# KiCad board Eclipse65.kicad_pcb (continued)
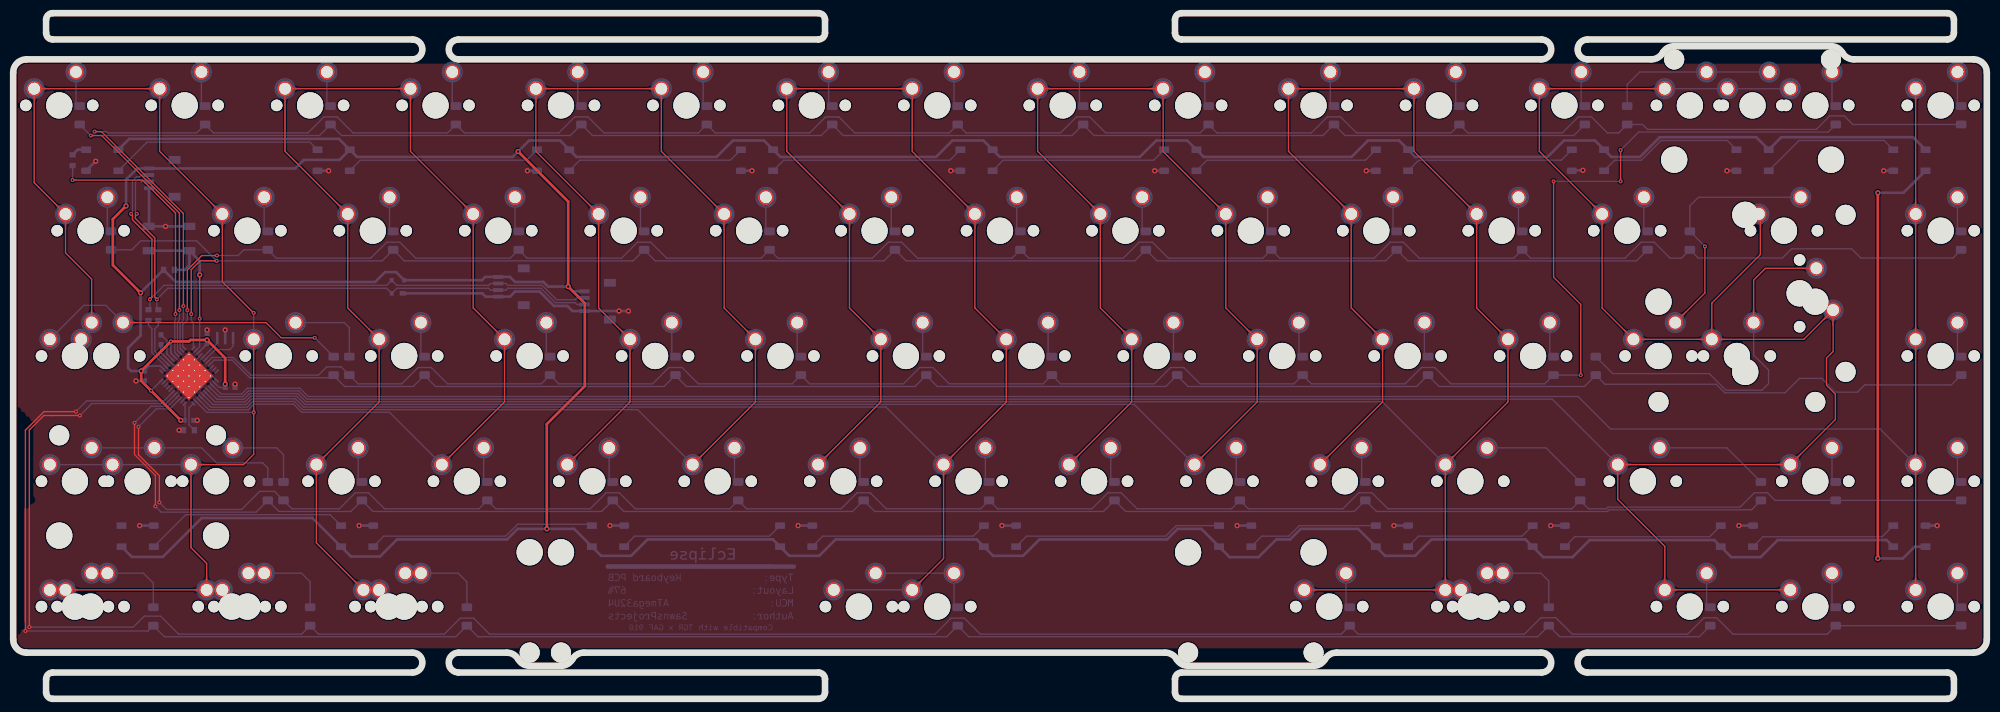
[diagram p0: board, top side]
## Copper pours and planes (outline as drawn; the poured copper is in the pictures) (continued)
C1 on Bottom: 63.34,37.23 63.41,37.16 63.48,37.09 63.53,37.02 63.58,36.95 63.63,36.89 63.66,36.82 63.7,36.76 63.72,36.7 63.75,36.64 63.77,36.58 63.78,36.52 63.8,36.46 63.81,36.4 63.81,36.34 63.85,35.77 63.86,35.7 63.87,35.63 63.88,35.55 63.9,35.47 63.92,35.39 63.94,35.31 63.97,35.22 65.53,35.19 65.5,36.75 65.41,36.78 65.33,36.8 65.24,36.82 65.17,36.84 65.09,36.85 65.02,36.86 64.95,36.87 64.38,36.9 64.32,36.91 64.26,36.92 64.2,36.93 64.14,36.95 64.08,36.97 64.02,36.99 63.96,37.02 63.89,37.05 63.83,37.09 63.76,37.14 63.7,37.19 63.63,37.24 63.56,37.3 63.48,37.38
C1 on Bottom: 62.78,37.8 62.87,37.7 62.96,37.61 63.03,37.51 63.1,37.42 63.16,37.33 63.21,37.25 63.25,37.16 63.28,37.08 63.31,37 63.34,36.92 63.36,36.84 63.38,36.76 63.39,36.68 63.4,36.6 63.4,36.52 63.41,36.44 63.42,36.01 63.43,35.92 63.43,35.83 63.44,35.73 63.46,35.64 63.47,35.53 63.49,35.43 63.52,35.32 63.55,35.21 63.59,35.09 65.67,35.05 65.63,37.13 65.51,37.16 65.4,37.2 65.29,37.22 65.18,37.24 65.08,37.26 64.98,37.27 64.89,37.28 64.8,37.29 64.7,37.3 64.28,37.31 64.2,37.31 64.12,37.32 64.04,37.33 63.96,37.34 63.88,37.36 63.8,37.38 63.72,37.4 63.64,37.43 63.55,37.47 63.47,37.51 63.38,37.56 63.29,37.62 63.2,37.69 63.11,37.76 63.02,37.85 62.92,37.94
C2 on Top: 112.83,52.27 112.83,52.38 112.83,52.47 112.84,52.56 112.86,52.64 112.87,52.72 112.89,52.79 112.91,52.86 112.94,52.92 112.96,52.98 112.99,53.04 113.02,53.09 113.05,53.14 113.09,53.19 113.13,53.24 113.5,53.67 113.55,53.72 113.59,53.78 113.64,53.85 113.68,53.91 113.72,53.98 113.77,54.06 113.81,54.14 112.73,55.26 111.65,54.14 111.69,54.06 111.73,53.98 111.77,53.91 111.82,53.85 111.86,53.78 111.91,53.72 111.95,53.67 112.33,53.24 112.37,53.19 112.4,53.14 112.43,53.09 112.46,53.04 112.49,52.98 112.52,52.92 112.54,52.86 112.56,52.79 112.58,52.72 112.6,52.64 112.61,52.56 112.62,52.47 112.63,52.38 112.63,52.27
C2 on Top: 104.82,37.38 104.75,37.3 104.68,37.24 104.61,37.19 104.54,37.14 104.48,37.09 104.41,37.05 104.35,37.02 104.29,36.99 104.23,36.97 104.17,36.95 104.11,36.93 104.05,36.92 103.99,36.91 103.93,36.9 103.36,36.87 103.29,36.86 103.21,36.85 103.14,36.84 103.06,36.82 102.98,36.8 102.9,36.78 102.81,36.75 102.78,35.19 104.34,35.22 104.36,35.31 104.39,35.39 104.41,35.47 104.42,35.55 104.44,35.63 104.45,35.7 104.46,35.77 104.49,36.34 104.5,36.4 104.51,36.46 104.52,36.52 104.54,36.58 104.56,36.64 104.58,36.7 104.61,36.76 104.64,36.82 104.68,36.89 104.72,36.95 104.77,37.02 104.83,37.09 104.89,37.16 104.96,37.23
C2 on Top: 93.78,52.27 93.78,52.38 93.78,52.47 93.79,52.56 93.81,52.64 93.82,52.72 93.84,52.79 93.86,52.86 93.89,52.92 93.91,52.98 93.94,53.04 93.97,53.09 94,53.14 94.04,53.19 94.08,53.24 94.45,53.67 94.5,53.72 94.54,53.78 94.59,53.85 94.63,53.91 94.67,53.98 94.72,54.06 94.76,54.14 93.68,55.26 92.6,54.14 92.64,54.06 92.68,53.98 92.72,53.91 92.77,53.85 92.81,53.78 92.86,53.72 92.9,53.67 93.28,53.24 93.32,53.19 93.35,53.14 93.38,53.09 93.41,53.04 93.44,52.98 93.47,52.92 93.49,52.86 93.51,52.79 93.53,52.72 93.55,52.64 93.56,52.56 93.57,52.47 93.58,52.38 93.58,52.27
C2 on Top: 85.77,37.38 85.7,37.3 85.63,37.24 85.56,37.19 85.49,37.14 85.43,37.09 85.36,37.05 85.3,37.02 85.24,36.99 85.18,36.97 85.12,36.95 85.06,36.93 85,36.92 84.94,36.91 84.88,36.9 84.31,36.87 84.24,36.86 84.16,36.85 84.09,36.84 84.01,36.82 83.93,36.8 83.85,36.78 83.76,36.75 83.73,35.19 85.29,35.22 85.31,35.31 85.34,35.39 85.36,35.47 85.37,35.55 85.39,35.63 85.4,35.7 85.41,35.77 85.44,36.34 85.45,36.4 85.46,36.46 85.47,36.52 85.49,36.58 85.51,36.64 85.53,36.7 85.56,36.76 85.59,36.82 85.63,36.89 85.67,36.95 85.72,37.02 85.78,37.09 85.84,37.16 85.91,37.23
C2 on Top: 89.02,71.32 89.02,71.43 89.02,71.52 89.03,71.61 89.04,71.69 89.06,71.77 89.08,71.84 89.1,71.91 89.12,71.97 89.15,72.03 89.18,72.09 89.21,72.14 89.24,72.19 89.28,72.24 89.31,72.29 89.69,72.72 89.74,72.77 89.78,72.83 89.82,72.9 89.87,72.96 89.91,73.03 89.95,73.11 90,73.19 88.92,74.31 87.84,73.19 87.88,73.11 87.92,73.03 87.96,72.96 88.01,72.9 88.05,72.83 88.09,72.77 88.14,72.72 88.52,72.29 88.55,72.24 88.59,72.19 88.62,72.14 88.65,72.09 88.68,72.03 88.71,71.97 88.73,71.91 88.75,71.84 88.77,71.77 88.79,71.69 88.8,71.61 88.81,71.52 88.81,71.43 88.82,71.32
C2 on Top: 91.92,56.28 91.99,56.21 92.05,56.14 92.11,56.07 92.16,56 92.2,55.94 92.24,55.87 92.27,55.81 92.3,55.75 92.32,55.69 92.34,55.63 92.36,55.57 92.37,55.51 92.38,55.45 92.39,55.39 92.42,54.82 92.43,54.75 92.44,54.68 92.46,54.6 92.47,54.52 92.49,54.44 92.52,54.36 92.54,54.27 94.1,54.24 94.07,55.8 93.98,55.83 93.9,55.85 93.82,55.87 93.74,55.89 93.67,55.9 93.59,55.91 93.52,55.92 92.95,55.95 92.89,55.96 92.83,55.97 92.77,55.98 92.71,56 92.65,56.02 92.59,56.04 92.53,56.07 92.47,56.1 92.4,56.14 92.34,56.19 92.27,56.24 92.2,56.29 92.13,56.35 92.06,56.43
C2 on Top: 98.54,90.37 98.54,90.48 98.55,90.57 98.56,90.66 98.57,90.74 98.58,90.82 98.6,90.89 98.62,90.96 98.65,91.02 98.67,91.08 98.7,91.14 98.73,91.19 98.77,91.24 98.8,91.29 98.84,91.34 99.22,91.77 99.26,91.82 99.31,91.88 99.35,91.95 99.39,92.01 99.44,92.08 99.48,92.16 99.52,92.24 98.44,93.36 97.36,92.24 97.4,92.16 97.44,92.08 97.49,92.01 97.53,91.95 97.57,91.88 97.62,91.82 97.66,91.77 98.04,91.34 98.08,91.29 98.11,91.24 98.15,91.19 98.18,91.14 98.21,91.08 98.23,91.02 98.26,90.96 98.28,90.89 98.3,90.82 98.31,90.74 98.32,90.66 98.33,90.57 98.34,90.48 98.34,90.37
C2 on Top: 106.2,75.33 106.28,75.26 106.34,75.19 106.39,75.12 106.44,75.05 106.49,74.99 106.53,74.92 106.56,74.86 106.59,74.8 106.61,74.74 106.63,74.68 106.65,74.62 106.66,74.56 106.67,74.5 106.68,74.44 106.71,73.87 106.72,73.8 106.73,73.73 106.74,73.65 106.76,73.57 106.78,73.49 106.8,73.41 106.83,73.32 108.39,73.29 108.36,74.85 108.27,74.88 108.19,74.9 108.11,74.92 108.03,74.94 107.95,74.95 107.88,74.96 107.81,74.97 107.24,75 107.18,75.01 107.12,75.02 107.06,75.03 107,75.05 106.94,75.07 106.88,75.09 106.82,75.12 106.76,75.15 106.69,75.19 106.63,75.24 106.56,75.29 106.49,75.34 106.42,75.4 106.35,75.48
C2 on Top: 79.49,90.37 79.49,90.48 79.5,90.57 79.51,90.66 79.52,90.74 79.53,90.82 79.55,90.89 79.57,90.96 79.6,91.02 79.62,91.08 79.65,91.14 79.68,91.19 79.72,91.24 79.75,91.29 79.79,91.34 80.17,91.77 80.21,91.82 80.26,91.88 80.3,91.95 80.34,92.01 80.39,92.08 80.43,92.16 80.47,92.24 79.39,93.36 78.31,92.24 78.35,92.16 78.39,92.08 78.44,92.01 78.48,91.95 78.52,91.88 78.57,91.82 78.61,91.77 78.99,91.34 79.03,91.29 79.06,91.24 79.1,91.19 79.13,91.14 79.16,91.08 79.18,91.02 79.21,90.96 79.23,90.89 79.25,90.82 79.26,90.74 79.27,90.66 79.28,90.57 79.29,90.48 79.29,90.37
C2 on Top: 87.15,75.33 87.23,75.26 87.29,75.19 87.34,75.12 87.39,75.05 87.44,74.99 87.48,74.92 87.51,74.86 87.54,74.8 87.56,74.74 87.58,74.68 87.6,74.62 87.61,74.56 87.62,74.5 87.63,74.44 87.66,73.87 87.67,73.8 87.68,73.73 87.69,73.65 87.71,73.57 87.73,73.49 87.75,73.41 87.78,73.32 89.34,73.29 89.31,74.85 89.22,74.88 89.14,74.9 89.06,74.92 88.98,74.94 88.9,74.95 88.83,74.96 88.76,74.97 88.19,75 88.13,75.01 88.07,75.02 88.01,75.03 87.95,75.05 87.89,75.07 87.83,75.09 87.77,75.12 87.71,75.15 87.64,75.19 87.58,75.24 87.51,75.29 87.44,75.34 87.37,75.4 87.3,75.48
C2 on Top: 108.07,71.32 108.07,71.43 108.07,71.52 108.08,71.61 108.09,71.69 108.11,71.77 108.13,71.84 108.15,71.91 108.17,71.97 108.2,72.03 108.23,72.09 108.26,72.14 108.29,72.19 108.33,72.24 108.36,72.29 108.74,72.72 108.79,72.77 108.83,72.83 108.87,72.9 108.92,72.96 108.96,73.03 109,73.11 109.05,73.19 107.97,74.31 106.89,73.19 106.93,73.11 106.97,73.03 107.01,72.96 107.06,72.9 107.1,72.83 107.14,72.77 107.19,72.72 107.57,72.29 107.6,72.24 107.64,72.19 107.67,72.14 107.7,72.09 107.73,72.03 107.76,71.97 107.78,71.91 107.8,71.84 107.82,71.77 107.84,71.69 107.85,71.61 107.86,71.52 107.86,71.43 107.87,71.32
C2 on Top: 110.97,56.28 111.04,56.21 111.1,56.14 111.16,56.07 111.21,56 111.25,55.94 111.29,55.87 111.32,55.81 111.35,55.75 111.37,55.69 111.39,55.63 111.41,55.57 111.42,55.51 111.43,55.45 111.44,55.39 111.47,54.82 111.48,54.75 111.49,54.68 111.51,54.6 111.52,54.52 111.54,54.44 111.57,54.36 111.59,54.27 113.15,54.24 113.12,55.8 113.03,55.83 112.95,55.85 112.87,55.87 112.79,55.89 112.72,55.9 112.64,55.91 112.57,55.92 112,55.95 111.94,55.96 111.88,55.97 111.82,55.98 111.76,56 111.7,56.02 111.64,56.04 111.58,56.07 111.52,56.1 111.45,56.14 111.39,56.19 111.32,56.24 111.25,56.29 111.18,56.35 111.11,56.43
C2 on Top: 81.78,92.86 81.68,92.87 81.58,92.87 81.49,92.88 81.41,92.89 81.33,92.91 81.26,92.93 81.19,92.95 81.13,92.97 81.07,93 81.02,93.03 80.96,93.06 80.91,93.09 80.86,93.13 80.81,93.16 80.39,93.54 80.33,93.59 80.27,93.63 80.21,93.67 80.14,93.72 80.07,93.76 79.99,93.8 79.91,93.84 78.79,92.76 79.91,91.68 79.99,91.73 80.07,91.77 80.14,91.81 80.21,91.86 80.27,91.9 80.33,91.94 80.39,91.99 80.81,92.37 80.86,92.4 80.91,92.44 80.96,92.47 81.02,92.5 81.07,92.53 81.13,92.56 81.19,92.58 81.26,92.6 81.33,92.62 81.41,92.64 81.49,92.65 81.58,92.66 81.68,92.66 81.78,92.66
C2 on Top: 96.05,92.66 96.15,92.66 96.25,92.66 96.34,92.65 96.42,92.64 96.5,92.62 96.57,92.6 96.64,92.58 96.7,92.56 96.76,92.53 96.81,92.5 96.87,92.47 96.92,92.44 96.97,92.4 97.02,92.37 97.44,91.99 97.5,91.94 97.56,91.9 97.62,91.86 97.69,91.81 97.76,91.77 97.84,91.73 97.92,91.68 99.04,92.76 97.92,93.84 97.84,93.8 97.76,93.76 97.69,93.72 97.62,93.67 97.56,93.63 97.5,93.59 97.44,93.54 97.02,93.16 96.97,93.13 96.92,93.09 96.87,93.06 96.81,93.03 96.76,93 96.7,92.97 96.64,92.95 96.57,92.93 96.5,92.91 96.42,92.89 96.34,92.88 96.25,92.87 96.15,92.87 96.05,92.86
C2 on Bottom: 101.44,37.23 101.51,37.16 101.58,37.09 101.63,37.02 101.68,36.95 101.73,36.89 101.76,36.82 101.8,36.76 101.82,36.7 101.85,36.64 101.87,36.58 101.88,36.52 101.9,36.46 101.91,36.4 101.91,36.34 101.95,35.77 101.96,35.7 101.97,35.63 101.98,35.55 102,35.47 102.02,35.39 102.04,35.31 102.07,35.22 103.63,35.19 103.6,36.75 103.51,36.78 103.43,36.8 103.34,36.82 103.27,36.84 103.19,36.85 103.12,36.86 103.05,36.87 102.48,36.9 102.42,36.91 102.36,36.92 102.3,36.93 102.24,36.95 102.18,36.97 102.12,36.99 102.06,37.02 101.99,37.05 101.93,37.09 101.86,37.14 101.8,37.19 101.73,37.24 101.66,37.3 101.58,37.38
C2 on Bottom: 100.88,37.8 100.97,37.7 101.06,37.61 101.13,37.51 101.2,37.42 101.26,37.33 101.31,37.25 101.35,37.16 101.38,37.08 101.41,37 101.44,36.92 101.46,36.84 101.48,36.76 101.49,36.68 101.5,36.6 101.5,36.52 101.51,36.44 101.52,36.01 101.53,35.92 101.53,35.83 101.54,35.73 101.56,35.64 101.57,35.53 101.59,35.43 101.62,35.32 101.65,35.21 101.69,35.09 103.77,35.05 103.73,37.13 103.61,37.16 103.5,37.2 103.39,37.22 103.28,37.24 103.18,37.26 103.08,37.27 102.99,37.28 102.9,37.29 102.8,37.3 102.38,37.31 102.3,37.31 102.22,37.32 102.14,37.33 102.06,37.34 101.98,37.36 101.9,37.38 101.82,37.4 101.74,37.43 101.65,37.47 101.57,37.51 101.48,37.56 101.39,37.62 101.3,37.69 101.21,37.76 101.12,37.85 101.02,37.94
C3 on Top: 141.4,33.22 141.4,33.33 141.41,33.42 141.42,33.51 141.43,33.59 141.45,33.67 141.47,33.74 141.49,33.81 141.51,33.87 141.54,33.93 141.57,33.99 141.6,34.04 141.63,34.09 141.66,34.14 141.7,34.19 142.08,34.62 142.12,34.67 142.17,34.73 142.21,34.8 142.26,34.86 142.3,34.93 142.34,35.01 142.38,35.09 141.3,36.21 140.22,35.09 140.26,35.01 140.31,34.93 140.35,34.86 140.39,34.8 140.44,34.73 140.48,34.67 140.53,34.62 140.9,34.19 140.94,34.14 140.98,34.09 141.01,34.04 141.04,33.99 141.07,33.93 141.09,33.87 141.12,33.81 141.14,33.74 141.16,33.67 141.17,33.59 141.19,33.51 141.2,33.42 141.2,33.33 141.2,33.22
C3 on Top: 138.16,18.33 138.09,18.25 138.01,18.19 137.95,18.14 137.88,18.09 137.81,18.04 137.75,18 137.69,17.97 137.62,17.94 137.56,17.92 137.5,17.9 137.44,17.88 137.38,17.87 137.32,17.86 137.27,17.85 136.7,17.82 136.62,17.81 136.55,17.8 136.48,17.79 136.4,17.77 136.32,17.75 136.23,17.73 136.15,17.7 136.12,16.14 137.67,16.17 137.7,16.26 137.73,16.34 137.75,16.42 137.76,16.5 137.78,16.58 137.79,16.65 137.79,16.72 137.83,17.29 137.84,17.35 137.85,17.41 137.86,17.47 137.88,17.53 137.89,17.59 137.92,17.65 137.95,17.71 137.98,17.77 138.02,17.84 138.06,17.9 138.11,17.97 138.17,18.04 138.23,18.11 138.3,18.18
C3 on Top: 150.93,52.27 150.93,52.38 150.93,52.47 150.94,52.56 150.96,52.64 150.97,52.72 150.99,52.79 151.01,52.86 151.04,52.92 151.06,52.98 151.09,53.04 151.12,53.09 151.15,53.14 151.19,53.19 151.23,53.24 151.6,53.67 151.65,53.72 151.69,53.78 151.74,53.85 151.78,53.91 151.82,53.98 151.87,54.06 151.91,54.14 150.83,55.26 149.75,54.14 149.79,54.06 149.83,53.98 149.87,53.91 149.92,53.85 149.96,53.78 150.01,53.72 150.05,53.67 150.43,53.24 150.47,53.19 150.5,53.14 150.53,53.09 150.56,53.04 150.59,52.98 150.62,52.92 150.64,52.86 150.66,52.79 150.68,52.72 150.7,52.64 150.71,52.56 150.72,52.47 150.73,52.38 150.73,52.27
C3 on Top: 142.92,37.38 142.85,37.3 142.78,37.24 142.71,37.19 142.64,37.14 142.58,37.09 142.51,37.05 142.45,37.02 142.39,36.99 142.33,36.97 142.27,36.95 142.21,36.93 142.15,36.92 142.09,36.91 142.03,36.9 141.46,36.87 141.39,36.86 141.31,36.85 141.24,36.84 141.16,36.82 141.08,36.8 141,36.78 140.91,36.75 140.88,35.19 142.44,35.22 142.46,35.31 142.49,35.39 142.51,35.47 142.52,35.55 142.54,35.63 142.55,35.7 142.56,35.77 142.59,36.34 142.6,36.4 142.61,36.46 142.62,36.52 142.64,36.58 142.66,36.64 142.68,36.7 142.71,36.76 142.74,36.82 142.78,36.89 142.82,36.95 142.87,37.02 142.93,37.09 142.99,37.16 143.06,37.23
C3 on Top: 131.88,52.27 131.88,52.38 131.88,52.47 131.89,52.56 131.91,52.64 131.92,52.72 131.94,52.79 131.96,52.86 131.99,52.92 132.01,52.98 132.04,53.04 132.07,53.09 132.1,53.14 132.14,53.19 132.18,53.24 132.55,53.67 132.6,53.72 132.64,53.78 132.69,53.85 132.73,53.91 132.77,53.98 132.82,54.06 132.86,54.14 131.78,55.26 130.7,54.14 130.74,54.06 130.78,53.98 130.82,53.91 130.87,53.85 130.91,53.78 130.96,53.72 131,53.67 131.38,53.24 131.42,53.19 131.45,53.14 131.48,53.09 131.51,53.04 131.54,52.98 131.57,52.92 131.59,52.86 131.61,52.79 131.63,52.72 131.65,52.64 131.66,52.56 131.67,52.47 131.68,52.38 131.68,52.27
C3 on Top: 123.87,37.38 123.8,37.3 123.73,37.24 123.66,37.19 123.59,37.14 123.53,37.09 123.46,37.05 123.4,37.02 123.34,36.99 123.28,36.97 123.22,36.95 123.16,36.93 123.1,36.92 123.04,36.91 122.98,36.9 122.41,36.87 122.34,36.86 122.26,36.85 122.19,36.84 122.11,36.82 122.03,36.8 121.95,36.78 121.86,36.75 121.83,35.19 123.39,35.22 123.41,35.31 123.44,35.39 123.46,35.47 123.47,35.55 123.49,35.63 123.5,35.7 123.51,35.77 123.54,36.34 123.55,36.4 123.56,36.46 123.57,36.52 123.59,36.58 123.61,36.64 123.63,36.7 123.66,36.76 123.69,36.82 123.73,36.89 123.77,36.95 123.82,37.02 123.88,37.09 123.94,37.16 124.01,37.23
C3 on Top: 127.12,71.32 127.12,71.43 127.12,71.52 127.13,71.61 127.14,71.69 127.16,71.77 127.18,71.84 127.2,71.91 127.22,71.97 127.25,72.03 127.28,72.09 127.31,72.14 127.34,72.19 127.38,72.24 127.41,72.29 127.79,72.72 127.84,72.77 127.88,72.83 127.92,72.9 127.97,72.96 128.01,73.03 128.05,73.11 128.1,73.19 127.02,74.31 125.94,73.19 125.98,73.11 126.02,73.03 126.06,72.96 126.11,72.9 126.15,72.83 126.19,72.77 126.24,72.72 126.62,72.29 126.65,72.24 126.69,72.19 126.72,72.14 126.75,72.09 126.78,72.03 126.81,71.97 126.83,71.91 126.85,71.84 126.87,71.77 126.89,71.69 126.9,71.61 126.91,71.52 126.91,71.43 126.92,71.32
C3 on Top: 130.02,56.28 130.09,56.21 130.15,56.14 130.21,56.07 130.26,56 130.3,55.94 130.34,55.87 130.37,55.81 130.4,55.75 130.42,55.69 130.44,55.63 130.46,55.57 130.47,55.51 130.48,55.45 130.49,55.39 130.52,54.82 130.53,54.75 130.54,54.68 130.56,54.6 130.57,54.52 130.59,54.44 130.62,54.36 130.64,54.27 132.2,54.24 132.17,55.8 132.08,55.83 132,55.85 131.92,55.87 131.84,55.89 131.77,55.9 131.69,55.91 131.62,55.92 131.05,55.95 130.99,55.96 130.93,55.97 130.87,55.98 130.81,56 130.75,56.02 130.69,56.04 130.63,56.07 130.57,56.1 130.5,56.14 130.44,56.19 130.37,56.24 130.3,56.29 130.23,56.35 130.16,56.43
C3 on Top: 117.59,90.37 117.59,90.48 117.6,90.57 117.61,90.66 117.62,90.74 117.63,90.82 117.65,90.89 117.67,90.96 117.7,91.02 117.72,91.08 117.75,91.14 117.78,91.19 117.82,91.24 117.85,91.29 117.89,91.34 118.27,91.77 118.31,91.82 118.36,91.88 118.4,91.95 118.44,92.01 118.49,92.08 118.53,92.16 118.57,92.24 117.49,93.36 116.41,92.24 116.45,92.16 116.49,92.08 116.54,92.01 116.58,91.95 116.62,91.88 116.67,91.82 116.71,91.77 117.09,91.34 117.13,91.29 117.16,91.24 117.2,91.19 117.23,91.14 117.26,91.08 117.28,91.02 117.31,90.96 117.33,90.89 117.35,90.82 117.36,90.74 117.37,90.66 117.38,90.57 117.39,90.48 117.39,90.37
C3 on Top: 125.25,75.33 125.33,75.26 125.39,75.19 125.44,75.12 125.49,75.05 125.54,74.99 125.58,74.92 125.61,74.86 125.64,74.8 125.66,74.74 125.68,74.68 125.7,74.62 125.71,74.56 125.72,74.5 125.73,74.44 125.76,73.87 125.77,73.8 125.78,73.73 125.79,73.65 125.81,73.57 125.83,73.49 125.85,73.41 125.88,73.32 127.44,73.29 127.41,74.85 127.32,74.88 127.24,74.9 127.16,74.92 127.08,74.94 127,74.95 126.93,74.96 126.86,74.97 126.29,75 126.23,75.01 126.17,75.02 126.11,75.03 126.05,75.05 125.99,75.07 125.93,75.09 125.87,75.12 125.81,75.15 125.74,75.19 125.68,75.24 125.61,75.29 125.54,75.34 125.47,75.4 125.4,75.48
C3 on Top: 136.64,90.37 136.64,90.48 136.65,90.57 136.66,90.66 136.67,90.74 136.68,90.82 136.7,90.89 136.72,90.96 136.75,91.02 136.77,91.08 136.8,91.14 136.83,91.19 136.87,91.24 136.9,91.29 136.94,91.34 137.32,91.77 137.36,91.82 137.41,91.88 137.45,91.95 137.49,92.01 137.54,92.08 137.58,92.16 137.62,92.24 136.54,93.36 135.46,92.24 135.5,92.16 135.54,92.08 135.59,92.01 135.63,91.95 135.67,91.88 135.72,91.82 135.76,91.77 136.14,91.34 136.18,91.29 136.21,91.24 136.25,91.19 136.28,91.14 136.31,91.08 136.33,91.02 136.36,90.96 136.38,90.89 136.4,90.82 136.41,90.74 136.42,90.66 136.43,90.57 136.44,90.48 136.44,90.37
C3 on Top: 144.3,75.33 144.38,75.26 144.44,75.19 144.49,75.12 144.54,75.05 144.59,74.99 144.63,74.92 144.66,74.86 144.69,74.8 144.71,74.74 144.73,74.68 144.75,74.62 144.76,74.56 144.77,74.5 144.78,74.44 144.81,73.87 144.82,73.8 144.83,73.73 144.84,73.65 144.86,73.57 144.88,73.49 144.9,73.41 144.93,73.32 146.49,73.29 146.46,74.85 146.37,74.88 146.29,74.9 146.21,74.92 146.13,74.94 146.05,74.95 145.98,74.96 145.91,74.97 145.34,75 145.28,75.01 145.22,75.02 145.16,75.03 145.1,75.05 145.04,75.07 144.98,75.09 144.92,75.12 144.86,75.15 144.79,75.19 144.73,75.24 144.66,75.29 144.59,75.34 144.52,75.4 144.45,75.48
C3 on Top: 146.17,71.32 146.17,71.43 146.17,71.52 146.18,71.61 146.19,71.69 146.21,71.77 146.23,71.84 146.25,71.91 146.27,71.97 146.3,72.03 146.33,72.09 146.36,72.14 146.39,72.19 146.43,72.24 146.46,72.29 146.84,72.72 146.89,72.77 146.93,72.83 146.97,72.9 147.02,72.96 147.06,73.03 147.1,73.11 147.15,73.19 146.07,74.31 144.99,73.19 145.03,73.11 145.07,73.03 145.11,72.96 145.16,72.9 145.2,72.83 145.24,72.77 145.29,72.72 145.67,72.29 145.7,72.24 145.74,72.19 145.77,72.14 145.8,72.09 145.83,72.03 145.86,71.97 145.88,71.91 145.9,71.84 145.92,71.77 145.94,71.69 145.95,71.61 145.96,71.52 145.96,71.43 145.97,71.32
C3 on Top: 149.07,56.28 149.14,56.21 149.2,56.14 149.26,56.07 149.31,56 149.35,55.94 149.39,55.87 149.42,55.81 149.45,55.75 149.47,55.69 149.49,55.63 149.51,55.57 149.52,55.51 149.53,55.45 149.54,55.39 149.57,54.82 149.58,54.75 149.59,54.68 149.61,54.6 149.62,54.52 149.64,54.44 149.67,54.36 149.69,54.27 151.25,54.24 151.22,55.8 151.13,55.83 151.05,55.85 150.97,55.87 150.89,55.89 150.82,55.9 150.74,55.91 150.67,55.92 150.1,55.95 150.04,55.96 149.98,55.97 149.92,55.98 149.86,56 149.8,56.02 149.74,56.04 149.68,56.07 149.62,56.1 149.55,56.14 149.49,56.19 149.42,56.24 149.35,56.29 149.28,56.35 149.21,56.43
C3 on Top: 119.88,92.86 119.78,92.87 119.68,92.87 119.59,92.88 119.51,92.89 119.43,92.91 119.36,92.93 119.29,92.95 119.23,92.97 119.17,93 119.12,93.03 119.06,93.06 119.01,93.09 118.96,93.13 118.91,93.16 118.49,93.54 118.43,93.59 118.37,93.63 118.31,93.67 118.24,93.72 118.17,93.76 118.09,93.8 118.01,93.84 116.89,92.76 118.01,91.68 118.09,91.73 118.17,91.77 118.24,91.81 118.31,91.86 118.37,91.9 118.43,91.94 118.49,91.99 118.91,92.37 118.96,92.4 119.01,92.44 119.06,92.47 119.12,92.5 119.17,92.53 119.23,92.56 119.29,92.58 119.36,92.6 119.43,92.62 119.51,92.64 119.59,92.65 119.68,92.66 119.78,92.66 119.88,92.66
C3 on Top: 134.15,92.66 134.25,92.66 134.35,92.66 134.44,92.65 134.52,92.64 134.6,92.62 134.67,92.6 134.74,92.58 134.8,92.56 134.86,92.53 134.91,92.5 134.97,92.47 135.02,92.44 135.07,92.4 135.12,92.37 135.54,91.99 135.6,91.94 135.66,91.9 135.72,91.86 135.79,91.81 135.86,91.77 135.94,91.73 136.02,91.68 137.14,92.76 136.02,93.84 135.94,93.8 135.86,93.76 135.79,93.72 135.72,93.67 135.66,93.63 135.6,93.59 135.54,93.54 135.12,93.16 135.07,93.13 135.02,93.09 134.97,93.06 134.91,93.03 134.86,93 134.8,92.97 134.74,92.95 134.67,92.93 134.6,92.91 134.52,92.89 134.44,92.88 134.35,92.87 134.25,92.87 134.15,92.86
C3 on Bottom: 127.02,16.66 126.92,16.67 126.83,16.67 126.74,16.68 126.66,16.69 126.58,16.71 126.51,16.73 126.44,16.75 126.37,16.77 126.32,16.8 126.26,16.83 126.21,16.86 126.15,16.89 126.11,16.93 126.06,16.96 125.63,17.34 125.57,17.39 125.52,17.43 125.45,17.47 125.39,17.52 125.31,17.56 125.24,17.6 125.16,17.64 124.03,16.56 125.16,15.48 125.24,15.53 125.31,15.57 125.39,15.61 125.45,15.66 125.52,15.7 125.57,15.74 125.63,15.79 126.06,16.17 126.11,16.2 126.15,16.24 126.21,16.27 126.26,16.3 126.32,16.33 126.37,16.36 126.44,16.38 126.51,16.4 126.58,16.42 126.66,16.44 126.74,16.45 126.83,16.46 126.92,16.46 127.02,16.46
C3 on Bottom: 127.82,16.66 127.69,16.67 127.56,16.68 127.44,16.69 127.33,16.7 127.23,16.73 127.13,16.75 127.04,16.78 126.96,16.81 126.88,16.85 126.8,16.89 126.73,16.93 126.66,16.98 126.6,17.03 126.53,17.08 126.47,17.13 126.41,17.18 126.1,17.47 126.04,17.53 125.97,17.59 125.89,17.65 125.81,17.71 125.73,17.77 125.64,17.83 125.54,17.89 125.44,17.95 125.33,18 123.83,16.56 125.33,15.12 125.44,15.18 125.54,15.24 125.64,15.3 125.73,15.36 125.81,15.42 125.89,15.48 125.97,15.54 126.04,15.6 126.1,15.66 126.41,15.95 126.47,16 126.53,16.05 126.6,16.1 126.66,16.15 126.73,16.2 126.8,16.24 126.88,16.28 126.96,16.32 127.04,16.35 127.13,16.38 127.23,16.4 127.33,16.43 127.44,16.44 127.56,16.45 127.69,16.46 127.82,16.46
C3 on Bottom: 134.15,16.46 134.25,16.46 134.35,16.46 134.44,16.45 134.52,16.44 134.6,16.42 134.67,16.4 134.74,16.38 134.8,16.36 134.86,16.33 134.91,16.3 134.97,16.27 135.02,16.24 135.07,16.2 135.12,16.17 135.54,15.79 135.6,15.74 135.66,15.7 135.72,15.66 135.79,15.61 135.86,15.57 135.94,15.53 136.02,15.48 137.14,16.56 136.02,17.64 135.94,17.6 135.86,17.56 135.79,17.52 135.72,17.47 135.66,17.43 135.6,17.39 135.54,17.34 135.12,16.96 135.07,16.93 135.02,16.89 134.97,16.86 134.91,16.83 134.86,16.8 134.8,16.77 134.74,16.75 134.67,16.73 134.6,16.71 134.52,16.69 134.44,16.68 134.35,16.67 134.25,16.67 134.15,16.66
C3 on Bottom: 133.35,16.46 133.49,16.46 133.61,16.45 133.73,16.44 133.84,16.43 133.95,16.4 134.04,16.38 134.13,16.35 134.22,16.32 134.3,16.28 134.37,16.24 134.44,16.2 134.51,16.15 134.58,16.1 134.64,16.05 134.7,16 134.76,15.95 135.07,15.66 135.14,15.6 135.21,15.54 135.28,15.48 135.36,15.42 135.45,15.36 135.53,15.3 135.63,15.24 135.73,15.18 135.84,15.12 137.34,16.56 135.84,18 135.73,17.95 135.63,17.89 135.53,17.83 135.45,17.77 135.36,17.71 135.28,17.65 135.21,17.59 135.14,17.53 135.07,17.47 134.76,17.18 134.7,17.13 134.64,17.08 134.58,17.03 134.51,16.98 134.44,16.93 134.37,16.89 134.3,16.85 134.22,16.81 134.13,16.78 134.04,16.75 133.95,16.73 133.84,16.7 133.73,16.69 133.61,16.68 133.49,16.67 133.35,16.66
C3 on Bottom: 139.54,37.23 139.61,37.16 139.68,37.09 139.73,37.02 139.78,36.95 139.83,36.89 139.86,36.82 139.9,36.76 139.92,36.7 139.95,36.64 139.97,36.58 139.98,36.52 140,36.46 140.01,36.4 140.01,36.34 140.05,35.77 140.06,35.7 140.07,35.63 140.08,35.55 140.1,35.47 140.12,35.39 140.14,35.31 140.17,35.22 141.73,35.19 141.7,36.75 141.61,36.78 141.53,36.8 141.44,36.82 141.37,36.84 141.29,36.85 141.22,36.86 141.15,36.87 140.58,36.9 140.52,36.91 140.46,36.92 140.4,36.93 140.34,36.95 140.28,36.97 140.22,36.99 140.16,37.02 140.09,37.05 140.03,37.09 139.96,37.14 139.9,37.19 139.83,37.24 139.76,37.3 139.68,37.38
C3 on Bottom: 138.98,37.8 139.07,37.7 139.16,37.61 139.23,37.51 139.3,37.42 139.36,37.33 139.41,37.25 139.45,37.16 139.48,37.08 139.51,37 139.54,36.92 139.56,36.84 139.58,36.76 139.59,36.68 139.6,36.6 139.6,36.52 139.61,36.44 139.62,36.01 139.63,35.92 139.63,35.83 139.64,35.73 139.66,35.64 139.67,35.53 139.69,35.43 139.72,35.32 139.75,35.21 139.79,35.09 141.87,35.05 141.83,37.13 141.71,37.16 141.6,37.2 141.49,37.22 141.38,37.24 141.28,37.26 141.18,37.27 141.09,37.28 141,37.29 140.9,37.3 140.48,37.31 140.4,37.31 140.32,37.32 140.24,37.33 140.16,37.34 140.08,37.36 140,37.38 139.92,37.4 139.84,37.43 139.75,37.47 139.67,37.51 139.58,37.56 139.49,37.62 139.4,37.69 139.31,37.76 139.22,37.85 139.12,37.94
C4 on Top: 165.22,71.32 165.22,71.43 165.22,71.52 165.23,71.61 165.24,71.69 165.26,71.77 165.28,71.84 165.3,71.91 165.32,71.97 165.35,72.03 165.38,72.09 165.41,72.14 165.44,72.19 165.48,72.24 165.51,72.29 165.89,72.72 165.94,72.77 165.98,72.83 166.02,72.9 166.07,72.96 166.11,73.03 166.15,73.11 166.2,73.19 165.12,74.31 164.04,73.19 164.08,73.11 164.12,73.03 164.16,72.96 164.21,72.9 164.25,72.83 164.29,72.77 164.34,72.72 164.72,72.29 164.75,72.24 164.79,72.19 164.82,72.14 164.85,72.09 164.88,72.03 164.91,71.97 164.93,71.91 164.95,71.84 164.97,71.77 164.99,71.69 165,71.61 165.01,71.52 165.01,71.43 165.02,71.32
C4 on Top: 168.12,56.28 168.19,56.21 168.25,56.14 168.31,56.07 168.36,56 168.4,55.94 168.44,55.87 168.47,55.81 168.5,55.75 168.52,55.69 168.54,55.63 168.56,55.57 168.57,55.51 168.58,55.45 168.59,55.39 168.62,54.82 168.63,54.75 168.64,54.68 168.66,54.6 168.67,54.52 168.69,54.44 168.72,54.36 168.74,54.27 170.3,54.24 170.27,55.8 170.18,55.83 170.1,55.85 170.02,55.87 169.94,55.89 169.87,55.9 169.79,55.91 169.72,55.92 169.15,55.95 169.09,55.96 169.03,55.97 168.97,55.98 168.91,56 168.85,56.02 168.79,56.04 168.73,56.07 168.67,56.1 168.6,56.14 168.54,56.19 168.47,56.24 168.4,56.29 168.33,56.35 168.26,56.43
C4 on Top: 189.03,52.27 189.03,52.38 189.03,52.47 189.04,52.56 189.06,52.64 189.07,52.72 189.09,52.79 189.11,52.86 189.14,52.92 189.16,52.98 189.19,53.04 189.22,53.09 189.25,53.14 189.29,53.19 189.33,53.24 189.7,53.67 189.75,53.72 189.79,53.78 189.84,53.85 189.88,53.91 189.92,53.98 189.97,54.06 190.01,54.14 188.93,55.26 187.85,54.14 187.89,54.06 187.93,53.98 187.97,53.91 188.02,53.85 188.06,53.78 188.11,53.72 188.15,53.67 188.53,53.24 188.57,53.19 188.6,53.14 188.63,53.09 188.66,53.04 188.69,52.98 188.72,52.92 188.74,52.86 188.76,52.79 188.78,52.72 188.8,52.64 188.81,52.56 188.82,52.47 188.83,52.38 188.83,52.27
